# KiCad board AmigaPCI Mainboard.kicad_pcb (continued)
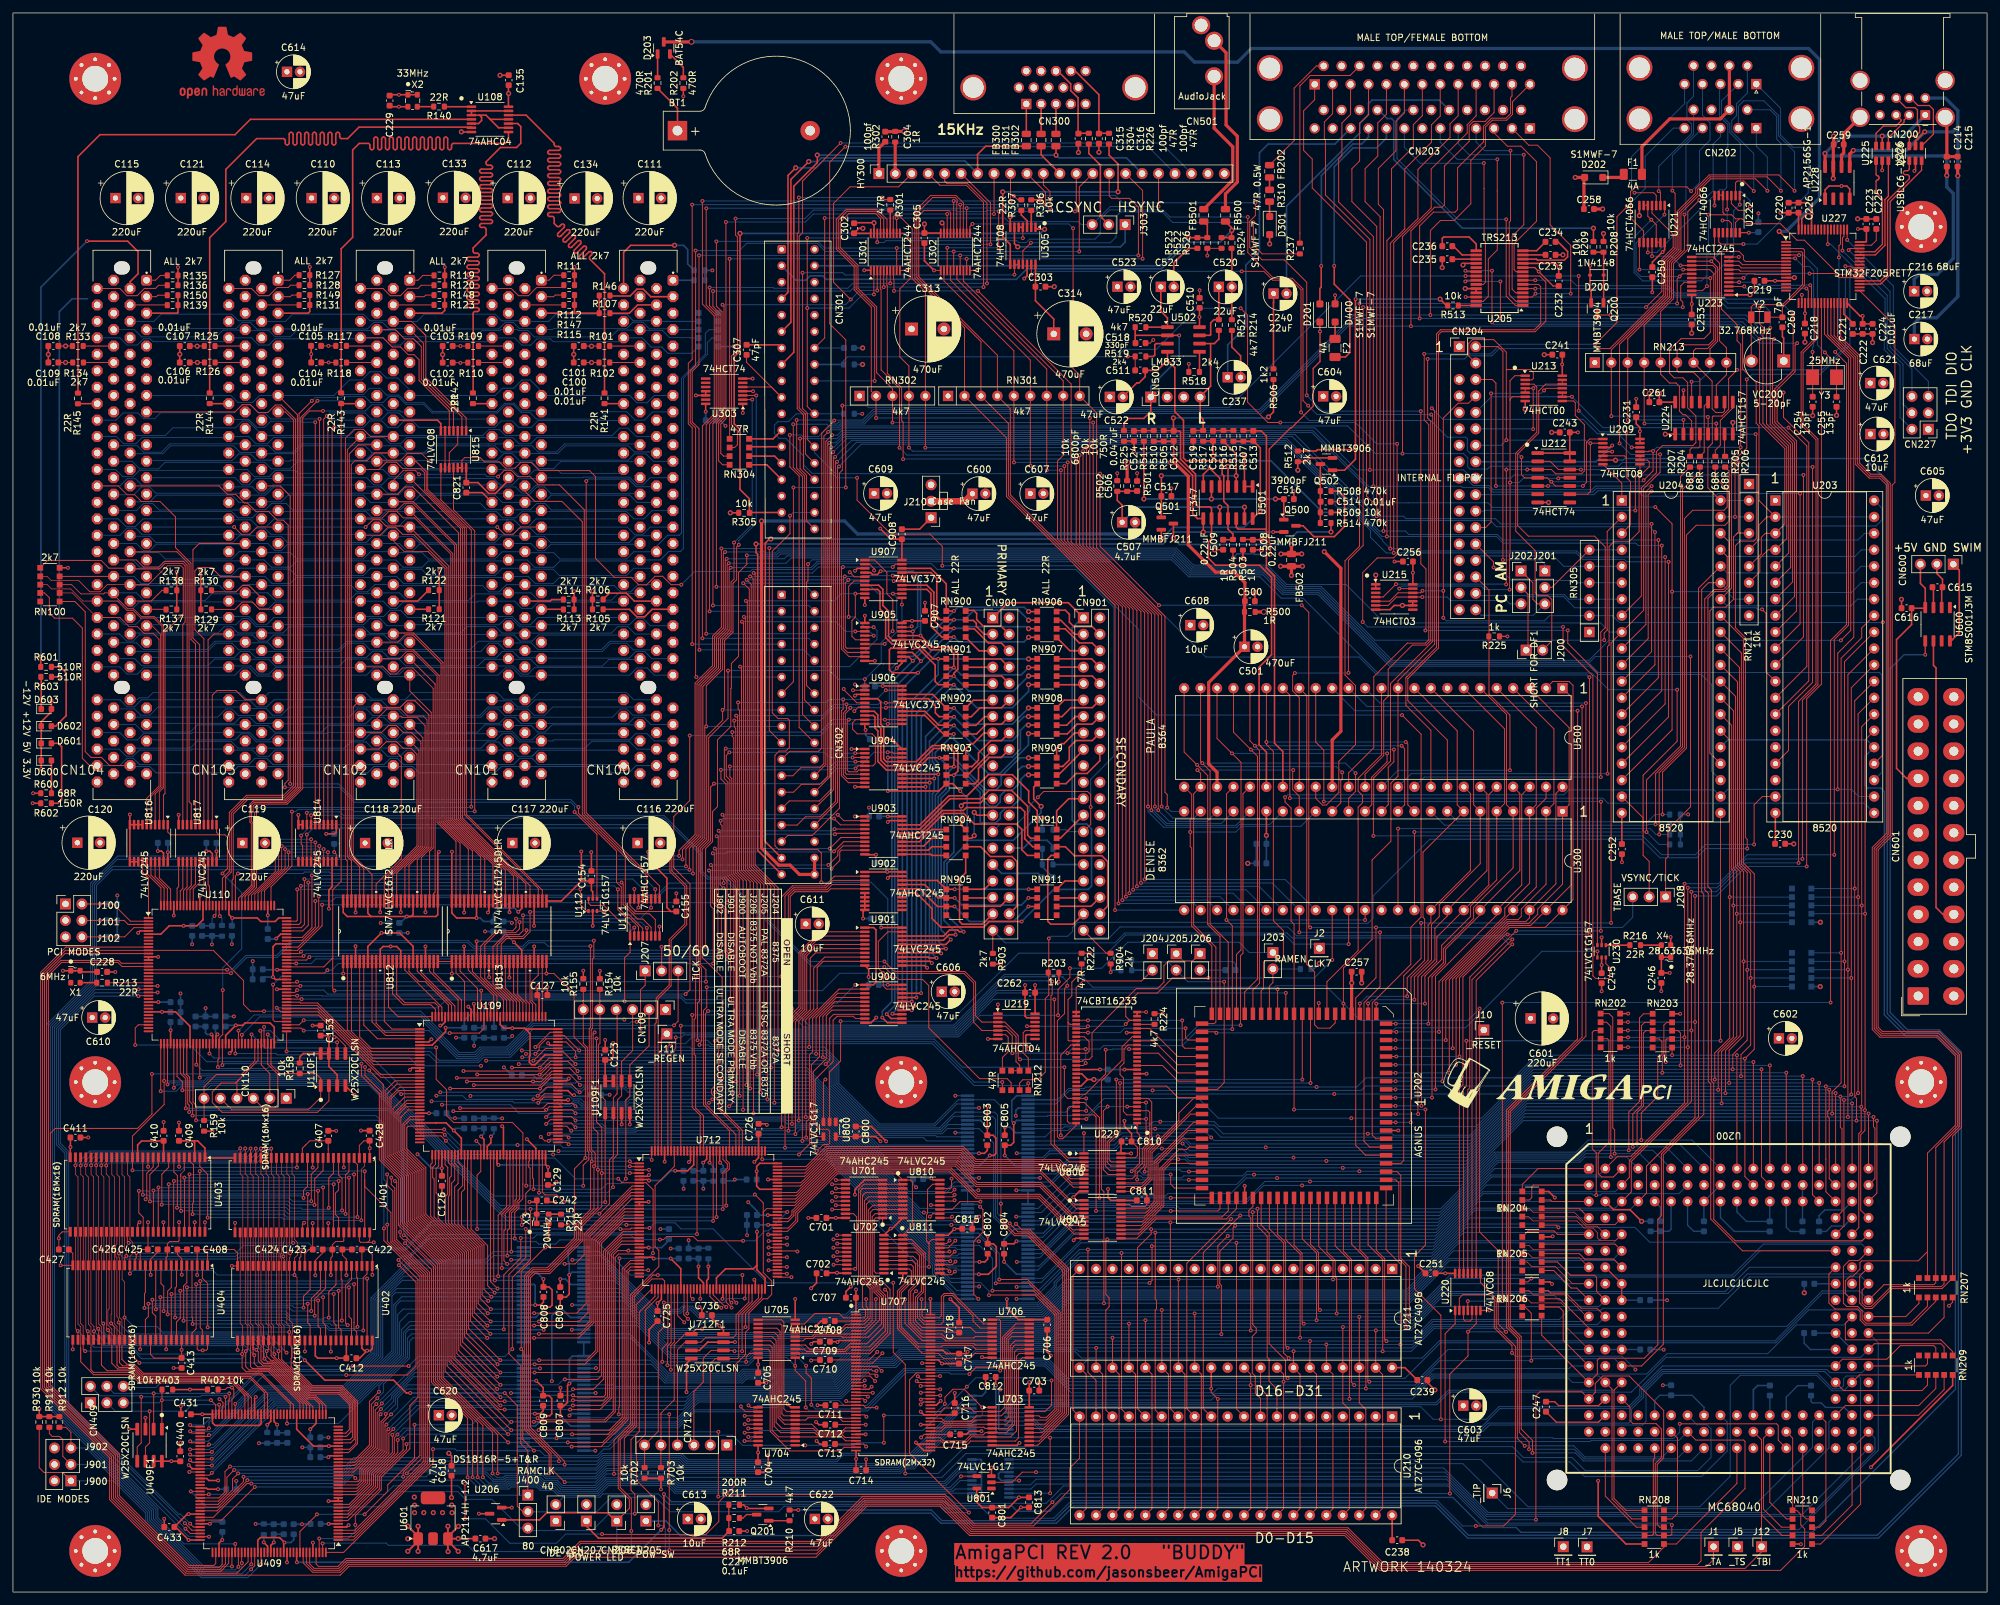
[diagram p0: board, top side]
## Placement (name value [footprint] x y rotation side) (continued)
H5  MountingHole_Pad  [MountingHole_4mm_Pad_Via]  12.7 78.74 0 top
H6  MountingHole_Pad  [MountingHole_4mm_Pad_Via]  137.16 78.74 0 top
H7  MountingHole_Pad  [MountingHole_4mm_Pad_Via]  294.64 78.74 0 top
H8  MountingHole_Pad  [MountingHole_4mm_Pad_Via]  12.7 6.35 0 top
H9  MountingHole_Pad  [MountingHole_4mm_Pad_Via]  137.16 6.35 0 top
H10  MountingHole_Pad  [MountingHole_4mm_Pad_Via]  294.64 6.35 0 top
HY300  VIDIOT  [PinSocket_1x22_P2.54mm_Vertical]  133.7 219.04 90 top
J1  _TA  [PinHeader_1x01_P2.54mm_Vertical]  262.56 7.01 0 top
J2  CLK7  [PinHeader_1x01_P2.54mm_Vertical]  201.71 99.4 0 top
J5  _TS  [PinHeader_1x01_P2.54mm_Vertical]  266.28 7 0 top
J6  _TIP  [PinHeader_1x01_P2.54mm_Vertical]  228.4 15.29 270 top
J7  TT0  [PinHeader_1x01_P2.54mm_Vertical]  243.04 6.98 0 top
J8  TT1  [PinHeader_1x01_P2.54mm_Vertical]  239.37 7 0 top
J10  _RESET  [PinHeader_1x01_P2.54mm_Vertical]  227.11 86.79 0 top
J11  _REGEN  [PinHeader_1x01_P2.54mm_Vertical]  100.95 86.19 0 top
J12  _TBI  [PinHeader_1x01_P2.54mm_Vertical]  269.98 7 0 top
J200  SHORT FOR DF1  [PinHeader_1x02_P2.54mm_Vertical]  233.65 145.45 90 top
J201  1-2 AMIGA DRIVES/2-3 PC DRIVES  [PinHeader_1x03_P2.54mm_Vertical]  236.52 157.67 0 top
J202  1-2 AMIGA DRIVES/2-3 PC DRIVES  [PinHeader_1x03_P2.54mm_Vertical]  232.85 157.67 0 top
J203  RAMEN  [PinHeader_1x02_P2.54mm_Vertical]  194.54 98.75 0 top
J204  8375/8372A  [PinHeader_1x02_P2.54mm_Vertical]  175.93 98.58 0 top
J205  Short for 8327A NTSC or 8375  [PinHeader_1x02_P2.54mm_Vertical]  179.61 98.58 0 top
J206  SHORT FOR 8375 Vbb  [PinHeader_1x02_P2.54mm_Vertical]  183.28 98.58 0 top
J207  TICK  [PinHeader_1x03_P2.54mm_Vertical]  97.62 95.92 90 top
J208  TBASE  [PinHeader_1x03_P2.54mm_Vertical]  255.17 107.35 270 top
J210  Case Fan  [FanHeader_1x03_P2.54mm_Vertical]  141.76 165.9 180 top
J303  HSYNC/COMPSYNC  [PinHeader_1x03_P2.54mm_Vertical]  171.72 211.16 270 top
J400  RAMCLK  [PinHeader_1x03_P2.54mm_Vertical]  79.5 14.96 0 top
J901  IDE MODES  [PinHeader_2x03_P2.54mm_Vertical]  8.95 17.17 180 top
JPCI1  PCI MODES  [PinHeader_2x03_P2.54mm_Vertical]  8.11 106.25 0 top
Q200  MMBT3904  [SOT-23]  244.62 198.14 270 top
Q201  MMBT3906  [SOT-23]  115.77 11.96 180 top
Q500  MMBFJ211  [SOT-23]  197.16 164.64 0 top
Q501  MMBFJ211  [SOT-23]  178.24 164.99 0 top
Q502  MMBT3906  [SOT-23]  202.81 174.18 180 top
R101  2k7  [R_0603_1608Metric]  91.31 192.41 180 top
R102  2k7  [R_0603_1608Metric]  91.31 189.86 180 top
R103  2k7  [R_0603_1608Metric]  105.99 202.56 0 bottom
R104  2k7  [R_0603_1608Metric]  106 204.09 180 bottom
R105  2k7  [R_0603_1608Metric]  90.3 151.75 0 top
R106  2k7  [R_0603_1608Metric]  90.3 153.28 0 top
R107  2k7  [R_0603_1608Metric]  91.35 197.48 0 top
R109  2k7  [R_0603_1608Metric]  71.06 192.41 180 top
R110  2k7  [R_0603_1608Metric]  71.06 189.84 180 top
R111  2k7  [R_0603_1608Metric]  85.88 203.34 0 top
R112  2k7  [R_0603_1608Metric]  85.88 201.81 180 top
R113  2k7  [R_0603_1608Metric]  85.81 151.73 180 top
R114  2k7  [R_0603_1608Metric]  85.81 153.26 180 top
R115  2k7  [R_0603_1608Metric]  85.88 198.75 180 top
R117  2k7  [R_0603_1608Metric]  50.66 192.43 180 top
R118  2k7  [R_0603_1608Metric]  50.69 189.85 180 top
R119  2k7  [R_0603_1608Metric]  65.84 203.31 0 top
R120  2k7  [R_0603_1608Metric]  65.84 201.79 180 top
R121  2k7  [R_0603_1608Metric]  65 151.76 180 top
R122  2k7  [R_0603_1608Metric]  65 154.71 180 top
R123  2k7  [R_0603_1608Metric]  65.84 198.75 180 top
R125  2k7  [R_0603_1608Metric]  30.37 192.41 180 top
R126  2k7  [R_0603_1608Metric]  30.39 189.86 180 top
R127  2k7  [R_0603_1608Metric]  45 203.35 0 top
R128  2k7  [R_0603_1608Metric]  45 201.8 180 top
R129  2k7  [R_0603_1608Metric]  29.84 151.74 0 top
R130  2k7  [R_0603_1608Metric]  29.84 154.69 0 top
R131  2k7  [R_0603_1608Metric]  45 198.74 180 top
R133  2k7  [R_0603_1608Metric]  10.02 192.41 180 top
R134  2k7  [R_0603_1608Metric]  10.06 189.86 180 top
R135  2k7  [R_0603_1608Metric]  24.66 203.31 0 top
R136  2k7  [R_0603_1608Metric]  24.66 201.79 180 top
R137  2k7  [R_0603_1608Metric]  24.47 151.73 180 top
R138  2k7  [R_0603_1608Metric]  24.47 154.68 180 top
R139  2k7  [R_0603_1608Metric]  24.66 198.72 180 top
R140  22R  [R_0603_1608Metric]  65.78 229.38 180 top
R141  22R  [R_0603_1608Metric]  91.34 184.34 90 top
R142  22R  [R_0603_1608Metric]  71.02 184.34 90 top
R143  22R  [R_0603_1608Metric]  50.67 184.34 90 top
R144  22R  [R_0603_1608Metric]  30.38 184.34 90 top
R145  22R  [R_0603_1608Metric]  10.03 184.31 90 top
R146  2k7  [R_0603_1608Metric]  91.35 200.2 0 top
R147  2k7  [R_0603_1608Metric]  85.88 200.28 180 top
R148  2k7  [R_0603_1608Metric]  65.84 200.27 180 top
R149  2k7  [R_0603_1608Metric]  45 200.27 180 top
R150  2k7  [R_0603_1608Metric]  24.66 200.25 180 top
R151  10k  [R_0603_1608Metric]  15.28 106.25 180 bottom
R152  10k  [R_0603_1608Metric]  15.28 103.71 180 bottom
R153  10k  [R_0603_1608Metric]  15.28 101.16 180 bottom
R154  10k  [R_0603_1608Metric]  90.62 93.91 270 top
R155  10k  [R_0603_1608Metric]  88.06 93.91 270 top
R156  100R  [R_0603_1608Metric]  74.27 86.36 90 bottom
R157  100R  [R_0603_1608Metric]  74.24 72.37 270 bottom
R158  10k  [R_0603_1608Metric]  44.28 80.88 270 top
R159  10k  [R_0603_1608Metric]  29.51 72 90 top
R160  100R  [R_0603_1608Metric]  32.27 102.1 90 bottom
R161  100R  [R_0603_1608Metric]  31.27 88.1 270 bottom
R201  470R  [R_0603_1608Metric]  99.53 233.01 90 top
R202  470R  [R_0603_1608Metric]  103.5 233.01 90 top
R203  1k  [R_0603_1608Metric]  160.67 95.65 0 top
R204  68R  [R_0603_1608Metric]  260.46 174.54 270 top
R205  68R  [R_0603_1608Metric]  262.84 174.54 270 top
R206  68R  [R_0603_1608Metric]  264.36 174.54 270 top
R207  68R  [R_0603_1608Metric]  258.94 174.54 270 top
R208  10k  [R_0603_1608Metric]  245.57 207.72 90 top
R209  10k  [R_0603_1608Metric]  244.02 207.72 270 top
R210  4k7  [R_0603_1608Metric]  119.91 11.84 270 top
R211  68R  [R_0603_1608Metric]  111.35 11.44 0 top
R212  200R  [R_0603_1608Metric]  111.35 13.46 180 top
R213  22R  [R_0603_1608Metric]  13.76 94.1 180 top
R214  1k  [R_0603_1608Metric]  188.2 195.64 270 top
R215  22R  [R_0603_1608Metric]  84.62 57.52 90 top
R216  22R  [R_0603_1608Metric]  250.48 99.89 0 top
R222  47R  [R_0603_1608Metric]  165 97.82 270 top
R223  10k  [R_0603_1608Metric]  171.9 97.56 0 bottom
R224  4k7  [R_0603_1608Metric]  176.26 88.48 270 top
R225  1k  [R_0603_1608Metric]  228.7 147.57 180 top
R226  47R  [R_0603_1608Metric]  169.23 224.44 270 top
R229  10k  [R_0603_1608Metric]  171.9 96.02 0 bottom
R237  47R  [R_0603_1608Metric]  198.7 207.46 90 top
R300  10k  [R_0603_1608Metric]  129.07 181.94 0 bottom
R301  47R  [R_0603_1608Metric]  135.45 214.21 270 top
R302  1R  [R_0603_1608Metric]  136.22 224.72 90 top
R303  1k  [R_0603_1608Metric]  256.63 120.07 180 bottom
R304  47R  [R_0603_1608Metric]  166.12 224.44 270 top
R305  10k  [R_0603_1608Metric]  112.88 166.65 180 top
R306  10k  [R_0603_1608Metric]  157.22 214.16 270 top
R307  22R  [R_0603_1608Metric]  155.69 214.16 90 top
R308  10k  [R_0603_1608Metric]  129.07 189.56 0 bottom
R309  1k  [R_0603_1608Metric]  256.63 116.98 180 bottom
R310  47R 0.5W  [R_0805_2012Metric]  194.02 215.62 270 top
R311  1k  [R_0603_1608Metric]  256.63 118.52 180 bottom
R312  1k  [R_0603_1608Metric]  256.63 115.44 180 bottom
R400  100R  [R_0603_1608Metric]  38.73 9.69 270 bottom
R401  100R  [R_0603_1608Metric]  39.26 23.81 90 bottom
R402  10k  [R_0603_1608Metric]  30.85 31.27 0 top
R403  10k  [R_0603_1608Metric]  23.84 31.26 180 top
R500  1R  [R_0603_1608Metric]  190.98 151.35 180 top
R501  1k  [R_0603_1608Metric]  172.03 170.79 270 top
R502  1k  [R_0603_1608Metric]  170.5 170.79 90 top
R503  1R  [R_0603_1608Metric]  189.91 161.71 90 top
R504  1R  [R_0603_1608Metric]  188.37 161.72 270 top
R505  750R  [R_0603_1608Metric]  177.68 178.52 90 top
R506  1k2  [R_0603_1608Metric]  194.62 188.05 270 top
R507  750R  [R_0603_1608Metric]  189.98 178.54 90 top
R508  470k  [R_0603_1608Metric]  202.68 170.01 180 top
R509  10k  [R_0603_1608Metric]  202.68 166.72 0 top
R510  10k  [R_0603_1608Metric]  176.14 178.52 90 top
R511  10k  [R_0603_1608Metric]  174.61 178.52 270 top
R512  2k7  [R_0603_1608Metric]  198.38 175.38 90 top
R513  10k  [R_0603_1608Metric]  222.35 198.67 180 top
R514  470k  [R_0603_1608Metric]  202.68 165.07 180 top
R515  10k  [R_0603_1608Metric]  188.44 178.54 90 top
R516  10k  [R_0603_1608Metric]  186.89 178.54 270 top
R517  10k  [R_0603_1608Metric]  183.76 178.54 90 top
R518  2k4  [R_0603_1608Metric]  182.38 188.41 180 top
R519  2k4  [R_0603_1608Metric]  174.1 190.8 180 top
R520  4k7  [R_0603_1608Metric]  174.1 195.32 0 top
R521  4k7  [R_0603_1608Metric]  186.19 195.64 90 top
R522  1k  [R_0603_1608Metric]  182.88 208.32 270 top
R523  1k  [R_0603_1608Metric]  184.41 208.32 90 top
R524  1k  [R_0603_1608Metric]  188.15 208.32 270 top
R525  10k  [R_0603_1608Metric]  171.54 178.52 90 top
R526  1k  [R_0603_1608Metric]  186.61 208.32 90 top
R600  150R  [R_0603_1608Metric]  5.12 121.8 0 top
R601  510R  [R_0603_1608Metric]  5.12 142.86 0 top
R602  68R  [R_0603_1608Metric]  5.12 123.35 0 top
R603  510R  [R_0603_1608Metric]  5.13 141.32 0 top
R700  100R  [R_0603_1608Metric]  108.12 64.27 90 bottom
R701  100R  [R_0603_1608Metric]  107.38 52.27 270 bottom
R702  10k  [R_0603_1608Metric]  97.53 18.4 90 top
R703  10k  [R_0603_1608Metric]  100.05 18.4 90 top
R900  1k  [R_0603_1608Metric]  159.76 117.72 0 bottom
R901  82R  [R_0603_1608Metric]  159.78 110.34 180 bottom
R902  4k7  [R_0603_1608Metric]  159.76 114.77 180 bottom
R903  2k7  [R_0603_1608Metric]  151.3 97.79 270 top
R904  2k7  [R_0603_1608Metric]  169.48 97.82 270 top
R905  82R  [R_0603_1608Metric]  159.75 112.35 0 bottom
R911  10k  [R_0603_1608Metric]  5.62 26.26 90 top
R912  10k  [R_0603_1608Metric]  7.17 26.26 90 top
R930  10k  [R_0603_1608Metric]  4.06 26.26 90 top
REF**  -  [OSHW-Logo2_14.6x12mm_Copper]  32.31 236.16 0 top
RJ203  10k  [R_0603_1608Metric]  199.61 96.21 180 bottom
RN100  2k7  [R_Array_Convex_5x1206]  5.71 155.56 180 top
RN101  2k7  [R_Array_Convex_5x1206]  107.35 194.93 180 bottom
RN200  1k  [R_Array_Convex_5x1206]  276.17 96.1 180 bottom
RN201  1k  [R_Array_Convex_5x1206]  276.17 106.03 180 bottom
RN202  1k  [R_Array_Convex_5x1206]  246.64 86.72 0 top
RN203  1k  [R_Array_Convex_5x1206]  254.67 86.69 0 top
RN204  1k  [R_Array_Convex_5x1206]  234.54 59.26 180 top
RN205  1k  [R_Array_Convex_5x1206]  234.54 52.25 180 top
RN206  1k  [R_Array_Convex_5x1206]  234.53 45.29 180 top
RN207  1k  [R_Array_Convex_5x1206]  296.88 46.99 90 top
RN208  1k  [R_Array_Convex_5x1206]  253.42 10.02 0 top
RN209  1k  [R_Array_Convex_5x1206]  296.89 35.03 270 top
RN210  1k  [R_Array_Convex_5x1206]  276.27 10.02 0 top
RN211  10k  [R_Array_SIP9]  268.05 171.1 270 top
RN212  47R  [R_Array_Convex_4x1206]  154.77 79 270 top
RN213  4k7  [R_Array_SIP9]  244.24 189.85 0 top
RN301  4k7  [R_Array_SIP9]  144.38 184.7 0 top
RN302  4k7  [R_Array_SIP5]  130.72 184.7 0 top
RN304  47R  [R_Array_Convex_4x1206]  112.16 176.07 180 top
RN305  1k  [R_Array_SIP6]  243.4 148.23 90 top
RN900  22R  [R_Array_Convex_4x1206]  145.6 149.48 0 top
RN901  22R  [R_Array_Convex_4x1206]  145.6 142.1 0 top
RN902  22R  [R_Array_Convex_4x1206]  145.6 134.52 0 top
RN903  22R  [R_Array_Convex_4x1206]  145.6 126.83 0 top
RN904  22R  [R_Array_Convex_4x1206]  145.6 115.75 0 top
RN905  22R  [R_Array_Convex_4x1206]  145.6 106.52 0 top
RN906  22R  [R_Array_Convex_4x1206]  159.64 149.4 0 top
RN907  22R  [R_Array_Convex_4x1206]  159.64 142.1 0 top
RN908  22R  [R_Array_Convex_4x1206]  159.64 134.52 0 top
RN909  22R  [R_Array_Convex_4x1206]  159.64 126.83 0 top
RN910  22R  [R_Array_Convex_4x1206]  159.64 115.75 0 top
RN911  22R  [R_Array_Convex_4x1206]  159.64 106.52 0 top
U108  74AHC04  [TSSOP-14_4.4x5mm_P0.65mm]  73.65 227.41 0 top
U109  ICE40HX4K-TQ144  [LQFP-144_20x20mm_P0.5mm]  73.48 78.19 0 top
U109F1  W25X20CLSN  [SOIC-8_3.9x4.9mm_P1.27mm]  93.34 76.43 90 top
U110  ICE40HX4K-TQ144  [LQFP-144_20x20mm_P0.5mm]  31.59 95.34 0 top
U110F1  W25X20CLSN  [SOIC-8_3.9x4.9mm_P1.27mm]  49.42 80.68 90 top
U111  74AHCT157  [TSSOP-16_4.4x5mm_P0.65mm]  97.56 104.17 90 top
U112  74LVC1G157  [SOT-363_SC-70-6]  89.52 106.11 90 top
U200  MC68040  [PGA179]  264.91 43.8 180 top
U202  Agnus_MULTI  [PLCC-84_SMD-Socket]  197.8 75.08 270 top
U203  8520  [DIP-40_W15.24mm_Socket]  272.12 168.56 0 top
U204  8520  [DIP-40_W15.24mm_Socket]  248.41 168.56 0 top
U205  TRS213  [SSOP-28_5.3x10.2mm_P0.65mm]  229.52 202.9 180 top
U206  DS1816R-5+T&R  [SOT-23]  74.53 12.09 180 top
U209  74HCT08  [TSSOP-14_4.4x5mm_P0.65mm]  248.35 176.1 0 top
U210  AT27C4096  [DIP-40_W15.24mm_Socket]  212.94 27.1 270 top
U211  AT27C4096  [DIP-40_W15.24mm_Socket]  212.95 49.89 270 top
U212  74HCT74  [SOIC-14_3.9x8.7mm_P1.27mm]  237.9 172.06 0 top
U213  74HCT00  [TSSOP-14_4.4x5mm_P0.65mm]  236.35 185.88 0 top
U215  74HCT03  [TSSOP-14_4.4x5mm_P0.65mm]  213.27 153.65 0 top
U219  74AHCT04  [TSSOP-14_4.4x5mm_P0.65mm]  154.94 87.36 0 top
U220  74LVC08  [TSSOP-14_4.4x5mm_P0.65mm]  224.62 46.35 90 top
U221  74HCT4066  [TSSOP-14_4.4x5mm_P0.65mm]  253.07 211.24 270 top
U222  74HCT4066  [TSSOP-14_4.4x5mm_P0.65mm]  264.67 212.77 270 top
U223  74HCT245  [TSSOP-20_4.4x6.5mm_P0.65mm]  262.07 203.23 180 top
U224  74AHCT157  [SOIC-16_3.9x9.9mm_P1.27mm]  261.1 181.27 90 top
U225  USBLC6-2SC6  [SOT-23-6]  288.61 222.16 90 top
U226  USBLC6-2SC6  [SOT-23-6]  293.75 222.16 90 top
U227  STM32F205RET7  [LQFP-64_10x10mm_P0.5mm]  279.45 204.72 0 top
U228  AP2156SG-13  [SOIC-8_3.9x4.9mm_P1.27mm]  281.69 217.62 90 top
U229  74CBT16233  [SSOP-56_7.5x18.5mm_P0.635mm]  168.86 80.99 180 top
U230  74LVC1G157  [SOT-363_SC-70-6]  245.29 98.94 270 top
U300  8362  [DIP-48_W15.24mm]  239.25 120.54 270 top
U301  74AHCT244  [TSSOP-20_4.4x5mm_P0.5mm]  134.7 206.95 90 top
U302  74AHCT244  [TSSOP-20_4.4x5mm_P0.5mm]  145.5 206.95 90 top
U303  74HCT74  [TSSOP-14_4.4x5mm_P0.65mm]  109.82 185.43 180 top
U305  74HCT08  [TSSOP-14_4.4x5mm_P0.65mm]  155.93 207.89 270 top
U401  SDRAM(16Mx16)  [TSOP-II-54_22.2x10.16mm_P0.8mm]  44.68 61.29 270 top
U402  SDRAM(16Mx16)  [TSOP-II-54_22.2x10.16mm_P0.8mm]  45.08 44.61 270 top
U403  SDRAM(16Mx16)  [TSOP-II-54_22.2x10.16mm_P0.8mm]  19.25 61.38 270 top
U404  SDRAM(16Mx16)  [TSOP-II-54_22.2x10.16mm_P0.8mm]  19.65 44.7 270 top
U409  ICE40HX4K-TQ144  [LQFP-144_20x20mm_P0.5mm]  39.56 16.79 180 top
U409F1  W25X20CLSN  [SOIC-8_3.9x4.9mm_P1.27mm]  21.09 22.68 270 top
U500  8364  [DIP-48_W15.24mm]  239.25 139.58 270 top
U501  LF347  [SOIC-14_3.9x8.7mm_P1.27mm]  187.6 168.24 270 top
U502  LM833  [SOIC-8_3.9x4.9mm_P1.27mm]  180.73 193.42 0 top
U600  STM8S001J3M  [SO-8_3.9x4.9mm_P1.27mm]  297.16 149.45 270 top
U601  AP2114H-1.2  [SOT-223-3_TabPin2]  64.86 11.39 90 top
U701  74AHC245  [TSSOP-20_4.4x6.5mm_P0.65mm]  131.4 60.7 180 top
U702  74AHC245  [TSSOP-20_4.4x6.5mm_P0.65mm]  131.61 52.17 180 top
U703  74AHC245  [TSSOP-20_4.4x6.5mm_P0.65mm]  154.05 25.59 0 top
U704  74AHC245  [TSSOP-20_4.4x6.5mm_P0.65mm]  117.91 25.59 180 top
U705  74AHC245  [TSSOP-20_4.4x6.5mm_P0.65mm]  117.91 39.12 180 top
U706  74AHC245  [TSSOP-20_4.4x6.5mm_P0.65mm]  154.05 39.12 0 top
U707  SDRAM(2Mx32)  [TSOP-II-86]  135.91 32.35 0 top
U712  ICE40HX4K-TQ144  [LQFP-144_20x20mm_P0.5mm]  107.37 57.45 0 top
U712F1  W25X20CLSN  [SOIC-8_3.9x4.9mm_P1.27mm]  107.22 37.95 0 top
U800  74LVC1G17  [SOT-23-5]  126.09 71.46 270 top
U801  74LVC1G17  [SOT-23-5]  149.94 16.95 180 top
U802  SN74LVC16T245DLR  [48-BSSOP]  152.06 52.57 0 bottom
U803  SN74LVC16T245DLR  [48-BSSOP]  152.06 69.34 0 bottom
U804  SN74LVC16T245DLR  [48-BSSOP]  83.46 45.91 0 bottom
U805  SN74LVC16T245DLR  [48-BSSOP]  83.46 29.14 0 bottom
U806  74LVC245  [TSSOP-20_4.4x6.5mm_P0.65mm]  168.22 64.8 0 top
U807  74LVC245  [TSSOP-20_4.4x6.5mm_P0.65mm]  168.22 57.56 0 top
U808  74LVC245  [TSSOP-20_4.4x6.5mm_P0.65mm]  150.93 27.38 0 bottom
U809  74LVC245  [TSSOP-20_4.4x6.5mm_P0.65mm]  150.93 17.54 0 bottom
U810  74LVC245  [TSSOP-20_4.4x6.5mm_P0.65mm]  140.26 60.7 0 top
U811  74LVC245  [TSSOP-20_4.4x6.5mm_P0.65mm]  140.26 52.17 0 top
U812  SN74LVC16T245DLR  [48-BSSOP]  58.29 102.04 90 top
U813  SN74LVC16T245DLR  [48-BSSOP]  75.07 102.04 90 top
U814  74LVC245  [TSSOP-20_4.4x6.5mm_P0.65mm]  47 115.63 270 top
U815  74LVC08  [TSSOP-14_4.4x5mm_P0.65mm]  68.02 176.46 270 top
U816  74LVC245  [TSSOP-20_4.4x6.5mm_P0.65mm]  20.97 115.63 270 top
U817  74LVC245  [TSSOP-20_4.4x6.5mm_P0.65mm]  28.5 115.63 270 top
U900  74LVC245  [TSSOP-20_4.4x6.5mm_P0.65mm]  134.39 90.83 0 top
U901  74LVC245  [TSSOP-20_4.4x6.5mm_P0.65mm]  134.39 99.67 0 top
U902  74AHCT245  [TSSOP-20_4.4x6.5mm_P0.65mm]  134.39 108.26 0 top
U903  74AHCT245  [TSSOP-20_4.4x6.5mm_P0.65mm]  134.39 116.84 0 top
U904  74LVC245  [TSSOP-20_4.4x6.5mm_P0.65mm]  134.39 127.25 0 top
U905  74LVC245  [TSSOP-20_4.4x6.5mm_P0.65mm]  134.39 146.72 0 top
U906  74LVC373  [TSSOP-20_4.4x6.5mm_P0.65mm]  134.39 136.98 0 top
U907  74LVC373  [TSSOP-20_4.4x6.5mm_P0.65mm]  134.39 156.45 0 top
VC200  5-20pF  [TrimmerCap]  270.9 190.1 180 top
X1  6MHz  [Oscillator_SMD_ECS_2520MV-xxx-xx-4Pin_2.5x2.0mm]  9.65 95.02 0 top
X2  33MHz  [Oscillator_SMD_ECS_2520MV-xxx-xx-4Pin_2.5x2.0mm]  61.7 230.28 0 top
X3  20MHz  [Oscillator_SMD_ECS_2520MV-xxx-xx-4Pin_2.5x2.0mm]  81.79 57.63 90 top
X4  28.63636MHz  [Oscillator_SMD_ECS_2520MV-xxx-xx-4Pin_2.5x2.0mm]  255.23 98.97 180 top
Y2  32.768KHz  [Crystal_SMD_3215-2Pin_3.2x1.5mm]  269.64 196.86 0 top
Y3  25MHz  [Crystal_SMD_5032-2Pin_5.0x3.2mm]  279.71 187.59 180 top

## Library data of the parts
BT1 = -: Description: Single-cell battery
C100-C109 C123-C132 C135-C155 C200-C215 C218-C236 C238 C239 C241-C243 C245-C247 C249-C262 C267 C300-C307 C312 C315 C316 C407-C413 C420-C440 C500 C506 C508-C519 C524 C615-C618 C701-C730 C735 C736 C800-C823 C900-C902 C904-C908 = -: Description: Unpolarized capacitor, small symbol
C110-C121 C133 C134 C237 C240 C501 C507 C522 C523 = -: Description: Polarized capacitor
C216 C217 = -: Description: Polarized capacitor, small symbol
C520 C521 = -: Description: Polarized capacitor, small symbol; Volts: 16V
CN109 CN110 CN409 CN712 = -: Description: Generic connector, single row, 01x06, script generated (kicad-library-utils/schlib/autogen/connector/)
CN200 = -: Description: USB Type A connector, stacked
CN202 = -: Description: 9-pin male D-SUB connector
CN203 = -: Description: 25-pin female D-SUB connector
CN204 = -: Description: Generic connector, double row, 02x17, odd/even pin numbering scheme (row 1 odd numbers, row 2 even numbers), script generated (kicad-library-utils/schlib/autogen/connector/)
CN205-CN207 J200 = -: Description: Generic connector, single row, 01x02, script generated
CN227 = -: Description: Generic connector, double row, 02x03, counter clockwise pin numbering scheme (similar to DIP package numbering), script generated (kicad-library-utils/schlib/autogen/connector/)
CN300 = -: Description: 15-pin female D-SUB connector, High density (3 columns), Triple Row, Generic, VGA-connector
CN500 = -: Description: Generic connector, single row, 01x04, script generated; Part Number: 5-103639-3
CN501 = -: Part: SJ1-3533NG
CN600 J201 J202 J207 J208 J210 J400 = -: Description: Generic connector, single row, 01x03, script generated
CN601 = -: Description: ATX Power supply 24pins; Part: 39281243
CN900 CN901 = -: Description: Generic connector, double row, 02x20, odd/even pin numbering scheme (row 1 odd numbers, row 2 even numbers), script generated (kicad-library-utils/schlib/autogen/connector/)
CN902 = -: Description: Generic connector, single row, 01x02, script generated (kicad-library-utils/schlib/autogen/connector/)
D200 = -: Description: 100V 0.15A standard switching diode, DO-35; pART: 1N4148WSTR
D201 D202 D301 D400 = -: Description: 50V 1A General Purpose Rectifier Diode, DO-41
D203 = -: Description: dual schottky barrier diode, common cathode
D600-D603 = -: Description: Light emitting diode
F1 F2 = -: Description: Fuse
FB300-FB302 = -: Part: ILHB1206ER750V
H1-H10 = -: Description: Mounting Hole with connection
J1 J2 J5-J8 J10-J12 = -: Description: Generic connector, single row, 01x01, script generated (kicad-library-utils/schlib/autogen/connector/)
J203 = -: Description: Jumper, 2-pole, closed/bridged
J204-J206 = -: Description: Jumper, 2-pole, open
J303 = -: Description: Jumper, 3-pole, pins 1+2 closed/bridged
J901 JPCI1 = -: Description: Generic connector, double row, 02x03, odd/even pin numbering scheme (row 1 odd numbers, row 2 even numbers), script generated (kicad-library-utils/schlib/autogen/connector/)
Q200 = -: Description: 0.2A Ic, 40V Vce, Small Signal NPN Transistor, SOT-23
Q201 Q502 = -: Description: -0.2A Ic, -40V Vce, Small Signal PNP Transistor, SOT-23
Q500 Q501 = -: Description: 25mA Idss, 30V Vgs, N-Channel JFET, SOT-23
R101-R107 R109-R115 R117-R123 R125-R131 R133-R139 R146-R153 R201 R202 R226 R300-R307 R309 R311 R312 R600-R603 = -: Description: Resistor, small symbol
R140-R145 R154-R161 R203-R216 R222-R225 R229 R308 R310 R400-R403 R500-R526 R700-R703 R900-R905 R911 R912 R930 RJ203 = -: Description: Resistor
R237 = -: Description: Resistor, small symbol; Wattage: 1W
RN100 RN101 RN200-RN209 = -: Description: 8 resistor network, SMD, bussed resistors, small symbol; Part: 746X101102JP
RN210 = -: Description: 8 resistor network, SMD, bussed resistors, small symbol
RN211 RN213 RN301 = -: Description: 8 resistor network, star topology, bussed resistors, small symbol
RN212 RN304 RN900-RN911 = -: Description: 4 resistor network, parallel topology; Part Number: CAY16-470J4LF
RN302 = -: Description: 4 resistor network, star topology, bussed resistors, small symbol
RN305 = -: Description: 5 resistor network, star topology, bussed resistors, small symbol
U108 U219 = -: Description: Hex Inverter
U109 U110 U409 U712 = -: Description: IC FPGA 107 I/O 144TQFP; Availability: Unavailable; MF: Lattice Semiconductor; Package: TQFP-144 Lattice Semiconductor; Price: None
U109F1 U110F1 U409F1 U712F1 = -: Description: 2Mbit Serial Flash memory, dual I/O SPI, SOIC-8
U111 U224 = -: Description: Quad 2 to 1 line Multiplexer
U112 U230 = -: Description: Single 2 to 1 line Multiplexer
U200 = -: Description: Motorola MC68040RC33 PGA
U205 = -: Description: RS232 interface IC, 3 drivers, 5 receivers, 3.3V/5V Vcc supply, bipolar Vdd/Vss supply, 120kb/s, SOIC-20; Part Number: TRS213IDB
U209 U220 U305 U815 = -: Description: Quad And2
U212 U303 = -: Description: Dual D Flip-flop, Set & Reset
U213 = -: Description: quad 2-input NAND gate
U215 = -: Description: Quad 2-input NAND open collector
U221 U222 = -: Description: Quad 20V analog SPST 1:1 switch, DIP-14
U223 U701-U706 U806-U811 U814 U816 U817 U900-U905 = -: Description: Octal BUS Transceivers, 3-State outputs
U225 U226 = -: Description: Very low capacitance ESD protection diode, 2 data-line, SOT-23-6
U227 = -: Description: STMicroelectronics Arm Cortex-M3 MCU, 512KB flash, 128KB RAM, 120 MHz, 1.8-3.6V, 51 GPIO, LQFP64
U229 = -: Description: 16 x 1:2 FET Multiplexer/Demultiplexer, Low-Voltage; Part Number: SN74CBT16233DL
U301 U302 = -: Description: 8-bit Buffer/Line Driver 3-state
U401-U404 = -: Description: 256Mb – (16M x 16 bit) Synchronous DRAM (SDRAM), TSOP II 54pin
U600 = -: Description: 16MHz, 8K Flash, 1K RAM, 128 EEPROM, SO-8
U601 = -: Description: 800mA Low-Dropout Linear Regulator, 1.8V fixed output, TO-252
U707 = -: Description: 2M x 32 bit Synchronous DRAM (SDRAM), TSOP II 86pin
U800 U801 = -: Description: Single Schmitt Buffer Gate, Low-Voltage CMOS
U906 U907 = -: Description: 8-bit Latch, 3-state outputs
VC200 = -: Description: Trimmable capacitor; Part Number: GKG20015
X1-X4 = -: Description: HCMOS Clock Oscillator
Y2 = -: Description: Two pin crystal; Part Number: FC-135 32.7680KA-AG0
Y3 = -: Description: Two pin crystal; Part: 445C33D25M00000

## Footprints (pads in the part's own frame, mm; a bottom-side part is the same pattern mirrored in y, then rotated)
2x18_P2.54mm_Horizontal
  rrect 1.31x1.31 hole 0.71: 1(-22.733,-2.413)
  round 1.31 hole 0.71: 2(-22.733,2.667) 3(-20.193,-2.413) 4(-20.193,2.667) 5(-17.653,-2.413) 6(-17.653,2.667) 7(-15.113,-2.413) 8(-15.113,2.667) 9(-12.573,-2.413) 10(-12.573,2.667) 11(-10.033,-2.413) 12(-10.033,2.667) 13(-7.493,-2.413) 14(-7.493,2.667) 15(-4.953,-2.413) 16(-4.953,2.667) 17(-2.413,-2.413) 18(-2.413,2.667) 19(0.127,-2.413) 20(0.127,2.667) 21(2.667,-2.413) 22(2.667,2.667) 23(5.207,-2.413) 24(5.207,2.667) 25(7.747,-2.413) 26(7.747,2.667) 27(10.287,-2.413) 28(10.287,2.667) 29(12.827,-2.413) 30(12.827,2.667) 31(15.367,-2.413) 32(15.367,2.667) 33(17.907,-2.413) 34(17.907,2.667) 35(20.447,-2.413) 36(20.447,2.667)
48-BSSOP
  rect 2.045x0.406 smd: 1(-4.667,7.303) 2(-4.667,6.668) 3(-4.667,6.032) 4(-4.667,5.397) 5(-4.667,4.763) 6(-4.667,4.128) 7(-4.667,3.493) 8(-4.667,2.857) 9(-4.667,2.223) 10(-4.667,1.587) 11(-4.667,0.953) 12(-4.667,0.318) 13(-4.667,-0.318) 14(-4.667,-0.953) 15(-4.667,-1.587) 16(-4.667,-2.223) 17(-4.667,-2.857) 18(-4.667,-3.493) 19(-4.667,-4.128) 20(-4.667,-4.763) 21(-4.667,-5.397) 22(-4.667,-6.032) 23(-4.667,-6.668) 24(-4.667,-7.303) 25(4.667,-7.303) 26(4.667,-6.668) 27(4.667,-6.032) 28(4.667,-5.397) 29(4.667,-4.763) 30(4.667,-4.128) 31(4.667,-3.493) 32(4.667,-2.857) 33(4.667,-2.223) 34(4.667,-1.587) 35(4.667,-0.953) 36(4.667,-0.318) 37(4.667,0.318) 38(4.667,0.953) 39(4.667,1.587) 40(4.667,2.223) 41(4.667,2.857) 42(4.667,3.493) 43(4.667,4.128) 44(4.667,4.763) 45(4.667,5.397) 46(4.667,6.032) 47(4.667,6.668) 48(4.667,7.303)
ATA_Header_2x20_P2.54mm
  rect 1.7x1.7 hole 1: 1(0,0)
  oval 1.7x1.7 hole 1: 2(2.54,0) 3(0,-2.54) 4(2.54,-2.54) 5(0,-5.08) 6(2.54,-5.08) 7(0,-7.62) 8(2.54,-7.62) 9(0,-10.16) 10(2.54,-10.16) 11(0,-12.7) 12(2.54,-12.7) 13(0,-15.24) 14(2.54,-15.24) 15(0,-17.78) 16(2.54,-17.78) 17(0,-20.32) 18(2.54,-20.32) 19(0,-22.86) 21(0,-25.4) 22(2.54,-25.4) 23(0,-27.94) 24(2.54,-27.94) 25(0,-30.48) 26(2.54,-30.48) 27(0,-33.02) 28(2.54,-33.02) 29(0,-35.56) 30(2.54,-35.56) 31(0,-38.1) 32(2.54,-38.1) 33(0,-40.64) 34(2.54,-40.64) 35(0,-43.18) 36(2.54,-43.18) 37(0,-45.72) 38(2.54,-45.72) 39(0,-48.26) 40(2.54,-48.26)
BatteryHolder_Keystone_103_1x20mm
  rect 3x3 hole 1.5: 1(0,0)
  round 3 hole 1.5: 2(20.49,0)
C_0603_1608Metric
  rrect 0.9x0.95 smd: 1(-0.775,0) 2(0.775,0)
C_0805_2012Metric
  rrect 1x1.45 smd: 1(-0.95,0) 2(0.95,0)
CP_Radial_D5.0mm_P2.00mm
  rect 1.6x1.6 hole 0.8: 1(0,0)
  round 1.6 hole 0.8: 2(2,0)
CP_Radial_D8.0mm_P3.50mm
  rect 1.6x1.6 hole 0.8: 1(0,0)
  round 1.6 hole 0.8: 2(3.5,0)
CP_Radial_D10.0mm_P5.00mm
  rect 2x2 hole 1: 1(0,0)
  round 2 hole 1: 2(5,0)
Crystal_SMD_3215-2Pin_3.2x1.5mm
  rect 1x1.8 smd: 1(1.25,0) 2(-1.25,0)
Crystal_SMD_5032-2Pin_5.0x3.2mm
  rect 2x2.4 smd: 1(-1.85,0) 2(1.85,0)
D_SOD-123F
  rrect 1.1x1.1 smd: 1(-1.4,0) 2(1.4,0)
D_SOD-323
  rrect 0.6x0.45 smd: 1(-1.05,0) 2(1.05,0)
DIP-40_W15.24mm_Socket
  rect 1.6x1.6 hole 0.8: 1(0,0)
  oval 1.6x1.6 hole 0.8: 2(0,-2.54) 3(0,-5.08) 4(0,-7.62) 5(0,-10.16) 6(0,-12.7) 7(0,-15.24) 8(0,-17.78) 9(0,-20.32) 10(0,-22.86) 11(0,-25.4) 12(0,-27.94) 13(0,-30.48) 14(0,-33.02) 15(0,-35.56) 16(0,-38.1) 17(0,-40.64) 18(0,-43.18) 19(0,-45.72) 20(0,-48.26) 21(15.24,-48.26) 22(15.24,-45.72) 23(15.24,-43.18) 24(15.24,-40.64) 25(15.24,-38.1) 26(15.24,-35.56) 27(15.24,-33.02) 28(15.24,-30.48) 29(15.24,-27.94) 30(15.24,-25.4) 31(15.24,-22.86) 32(15.24,-20.32) 33(15.24,-17.78) 34(15.24,-15.24) 35(15.24,-12.7) 36(15.24,-10.16) 37(15.24,-7.62) 38(15.24,-5.08) 39(15.24,-2.54) 40(15.24,0)
DIP-48_W15.24mm
  rect 1.6x1.6 hole 0.8: 1(0,0)
  oval 1.6x1.6 hole 0.8: 2(0,-2.54) 3(0,-5.08) 4(0,-7.62) 5(0,-10.16) 6(0,-12.7) 7(0,-15.24) 8(0,-17.78) 9(0,-20.32) 10(0,-22.86) 11(0,-25.4) 12(0,-27.94) 13(0,-30.48) 14(0,-33.02) 15(0,-35.56) 16(0,-38.1) 17(0,-40.64) 18(0,-43.18) 19(0,-45.72) 20(0,-48.26) 21(0,-50.8) 22(0,-53.34) 23(0,-55.88) 24(0,-58.42) 25(15.24,-58.42) 26(15.24,-55.88) 27(15.24,-53.34) 28(15.24,-50.8) 29(15.24,-48.26) 30(15.24,-45.72) 31(15.24,-43.18) 32(15.24,-40.64) 33(15.24,-38.1) 34(15.24,-35.56) 35(15.24,-33.02) 36(15.24,-30.48) 37(15.24,-27.94) 38(15.24,-25.4) 39(15.24,-22.86) 40(15.24,-20.32) 41(15.24,-17.78) 42(15.24,-15.24) 43(15.24,-12.7) 44(15.24,-10.16) 45(15.24,-7.62) 46(15.24,-5.08) 47(15.24,-2.54) 48(15.24,0)
DSUB-9_Male_Stack
  rect 1.6x1.6 hole 1: 1(-5.588,11.02) 10(-5.588,17.82)
  round 1.6 hole 1: 2(-2.818,11.02) 3(-0.048,11.02) 4(2.722,11.02) 5(5.492,11.02) 6(-4.203,8.18) 7(-1.433,8.18) 8(1.337,8.18) 9(4.107,8.18) 11(-2.818,17.82) 12(-0.048,17.82) 13(2.722,17.82) 14(5.492,17.82) 15(-4.203,14.98) 16(-1.433,14.98) 17(1.337,14.98) 18(4.107,14.98)
  round 4 hole 3.2: 19(-12.548,16.4) 19(-12.548,8.5) 19(12.452,16.4) 19(12.452,8.5)
DSUB-15-HD_Female_Horizontal_P2.29x1.98mm_EdgePinOffset8.35mm_Housed_MountingHolesOffset10.89mm
  rect 1.6x1.6 hole 1: 1(4.572,13.97)
  round 1.6 hole 1: 2(2.282,13.97) 3(-0.008,13.97) 4(-2.298,13.97) 5(-4.588,13.97) 6(5.717,11.43) 7(3.427,11.43) 8(1.137,11.43) 9(-1.153,11.43) 10(-3.443,11.43) 11(4.572,8.89) 12(2.282,8.89) 13(-0.008,8.89) 14(-2.298,8.89) 15(-4.588,8.89)
  round 4 hole 3.2: 16(-12.243,11.43) 16(12.757,11.43)
DSUB-25_Stack_Female_Bottom_Male_Top
  rect 1.6x1.6 hole 1: 1(16.637,11.02) 26(-16.603,17.82)
  round 1.6 hole 1: 2(13.867,11.02) 3(11.097,11.02) 4(8.327,11.02) 5(5.557,11.02) 6(2.787,11.02) 7(0.017,11.02) 8(-2.753,11.02) 9(-5.523,11.02) 10(-8.293,11.02) 11(-11.063,11.02) 12(-13.833,11.02) 13(-16.603,11.02) 14(15.252,8.18) 15(12.482,8.18) 16(9.712,8.18) 17(6.942,8.18) 18(4.172,8.18) 19(1.402,8.18) 20(-1.368,8.18) 21(-4.138,8.18) 22(-6.908,8.18) 23(-9.678,8.18) 24(-12.448,8.18) 25(-15.218,8.18) 27(-13.833,17.82) 28(-11.049,17.82) 29(-8.293,17.82) 30(-5.523,17.82) 31(-2.753,17.82) 32(0.017,17.82) 33(2.794,17.82) 34(5.557,17.82) 35(8.327,17.82) 36(11.097,17.82) 37(13.843,17.82) 38(16.637,17.82) 39(-15.24,14.98) 40(-12.448,14.986) 41(-9.652,14.986) 42(-6.908,14.986) 43(-4.138,14.986) 44(-1.368,14.986) 45(1.397,14.986) 46(4.172,14.986) 47(6.942,14.986) 48(9.712,14.986) 49(12.482,14.986) 50(15.252,14.986)
  round 4 hole 3.2: 51(-23.533,16.4) 51(-23.533,8.5) 51(23.567,16.4) 51(23.567,8.5)
FanHeader_1x03_P2.54mm_Vertical
  rect 1.7x1.7 hole 1: 1(0,0)
  oval 1.7x1.7 hole 1: 2(0,-2.54) 3(0,-5.08)
Floppy_PinHeader_2x17_P2.54mm
  rect 1.7x1.7 hole 1: 1(0,0)
  oval 1.7x1.7 hole 1: 2(2.54,0) 4(2.54,-2.54) 5(0,-5.08) 6(2.54,-5.08) 7(0,-7.62) 8(2.54,-7.62) 9(0,-10.16) 10(2.54,-10.16) 11(0,-12.7) 12(2.54,-12.7) 13(0,-15.24) 14(2.54,-15.24) 15(0,-17.78) 16(2.54,-17.78) 17(0,-20.32) 18(2.54,-20.32) 19(0,-22.86) 20(2.54,-22.86) 21(0,-25.4) 22(2.54,-25.4) 23(0,-27.94) 24(2.54,-27.94) 25(0,-30.48) 26(2.54,-30.48) 27(0,-33.02) 28(2.54,-33.02) 29(0,-35.56) 30(2.54,-35.56) 31(0,-38.1) 32(2.54,-38.1) 33(0,-40.64) 34(2.54,-40.64)
Fuse_1206_3216Metric
  rrect 1.25x1.75 smd: 1(-1.4,0) 2(1.4,0)
Jack_3.5mm_CUI_SJ1-3533NG_Horizontal_CircularHoles
  round 2.8 hole 2: R(2,-7.9) S(0,0) T(2,-2.4)
LED_0603_1608Metric
  rrect 0.875x0.95 smd: 1(-0.787,0) 2(0.787,0)
LQFP-64_10x10mm_P0.5mm
  rrect 1.55x0.3 smd: 1(-5.675,3.75) 2(-5.675,3.25) 3(-5.675,2.75) 4(-5.675,2.25) 5(-5.675,1.75) 6(-5.675,1.25) 7(-5.675,0.75) 8(-5.675,0.25) 9(-5.675,-0.25) 10(-5.675,-0.75) 11(-5.675,-1.25) 12(-5.675,-1.75) 13(-5.675,-2.25) 14(-5.675,-2.75) 15(-5.675,-3.25) 16(-5.675,-3.75) 33(5.675,-3.75) 34(5.675,-3.25) 35(5.675,-2.75) 36(5.675,-2.25) 37(5.675,-1.75) 38(5.675,-1.25) 39(5.675,-0.75) 40(5.675,-0.25) 41(5.675,0.25) 42(5.675,0.75) 43(5.675,1.25) 44(5.675,1.75) 45(5.675,2.25) 46(5.675,2.75) 47(5.675,3.25) 48(5.675,3.75)
  rrect 0.3x1.55 smd: 17(-3.75,-5.675) 18(-3.25,-5.675) 19(-2.75,-5.675) 20(-2.25,-5.675) 21(-1.75,-5.675) 22(-1.25,-5.675) 23(-0.75,-5.675) 24(-0.25,-5.675) 25(0.25,-5.675) 26(0.75,-5.675) 27(1.25,-5.675) 28(1.75,-5.675) 29(2.25,-5.675) 30(2.75,-5.675) 31(3.25,-5.675) 32(3.75,-5.675) 49(3.75,5.675) 50(3.25,5.675) 51(2.75,5.675) 52(2.25,5.675) 53(1.75,5.675) 54(1.25,5.675) 55(0.75,5.675) 56(0.25,5.675) 57(-0.25,5.675) 58(-0.75,5.675) 59(-1.25,5.675) 60(-1.75,5.675) 61(-2.25,5.675) 62(-2.75,5.675) 63(-3.25,5.675) 64(-3.75,5.675)
